# Altium PCB LimeSDR_Mini_1v0_Rounded.PcbDoc (part 2 of 5) (continued)
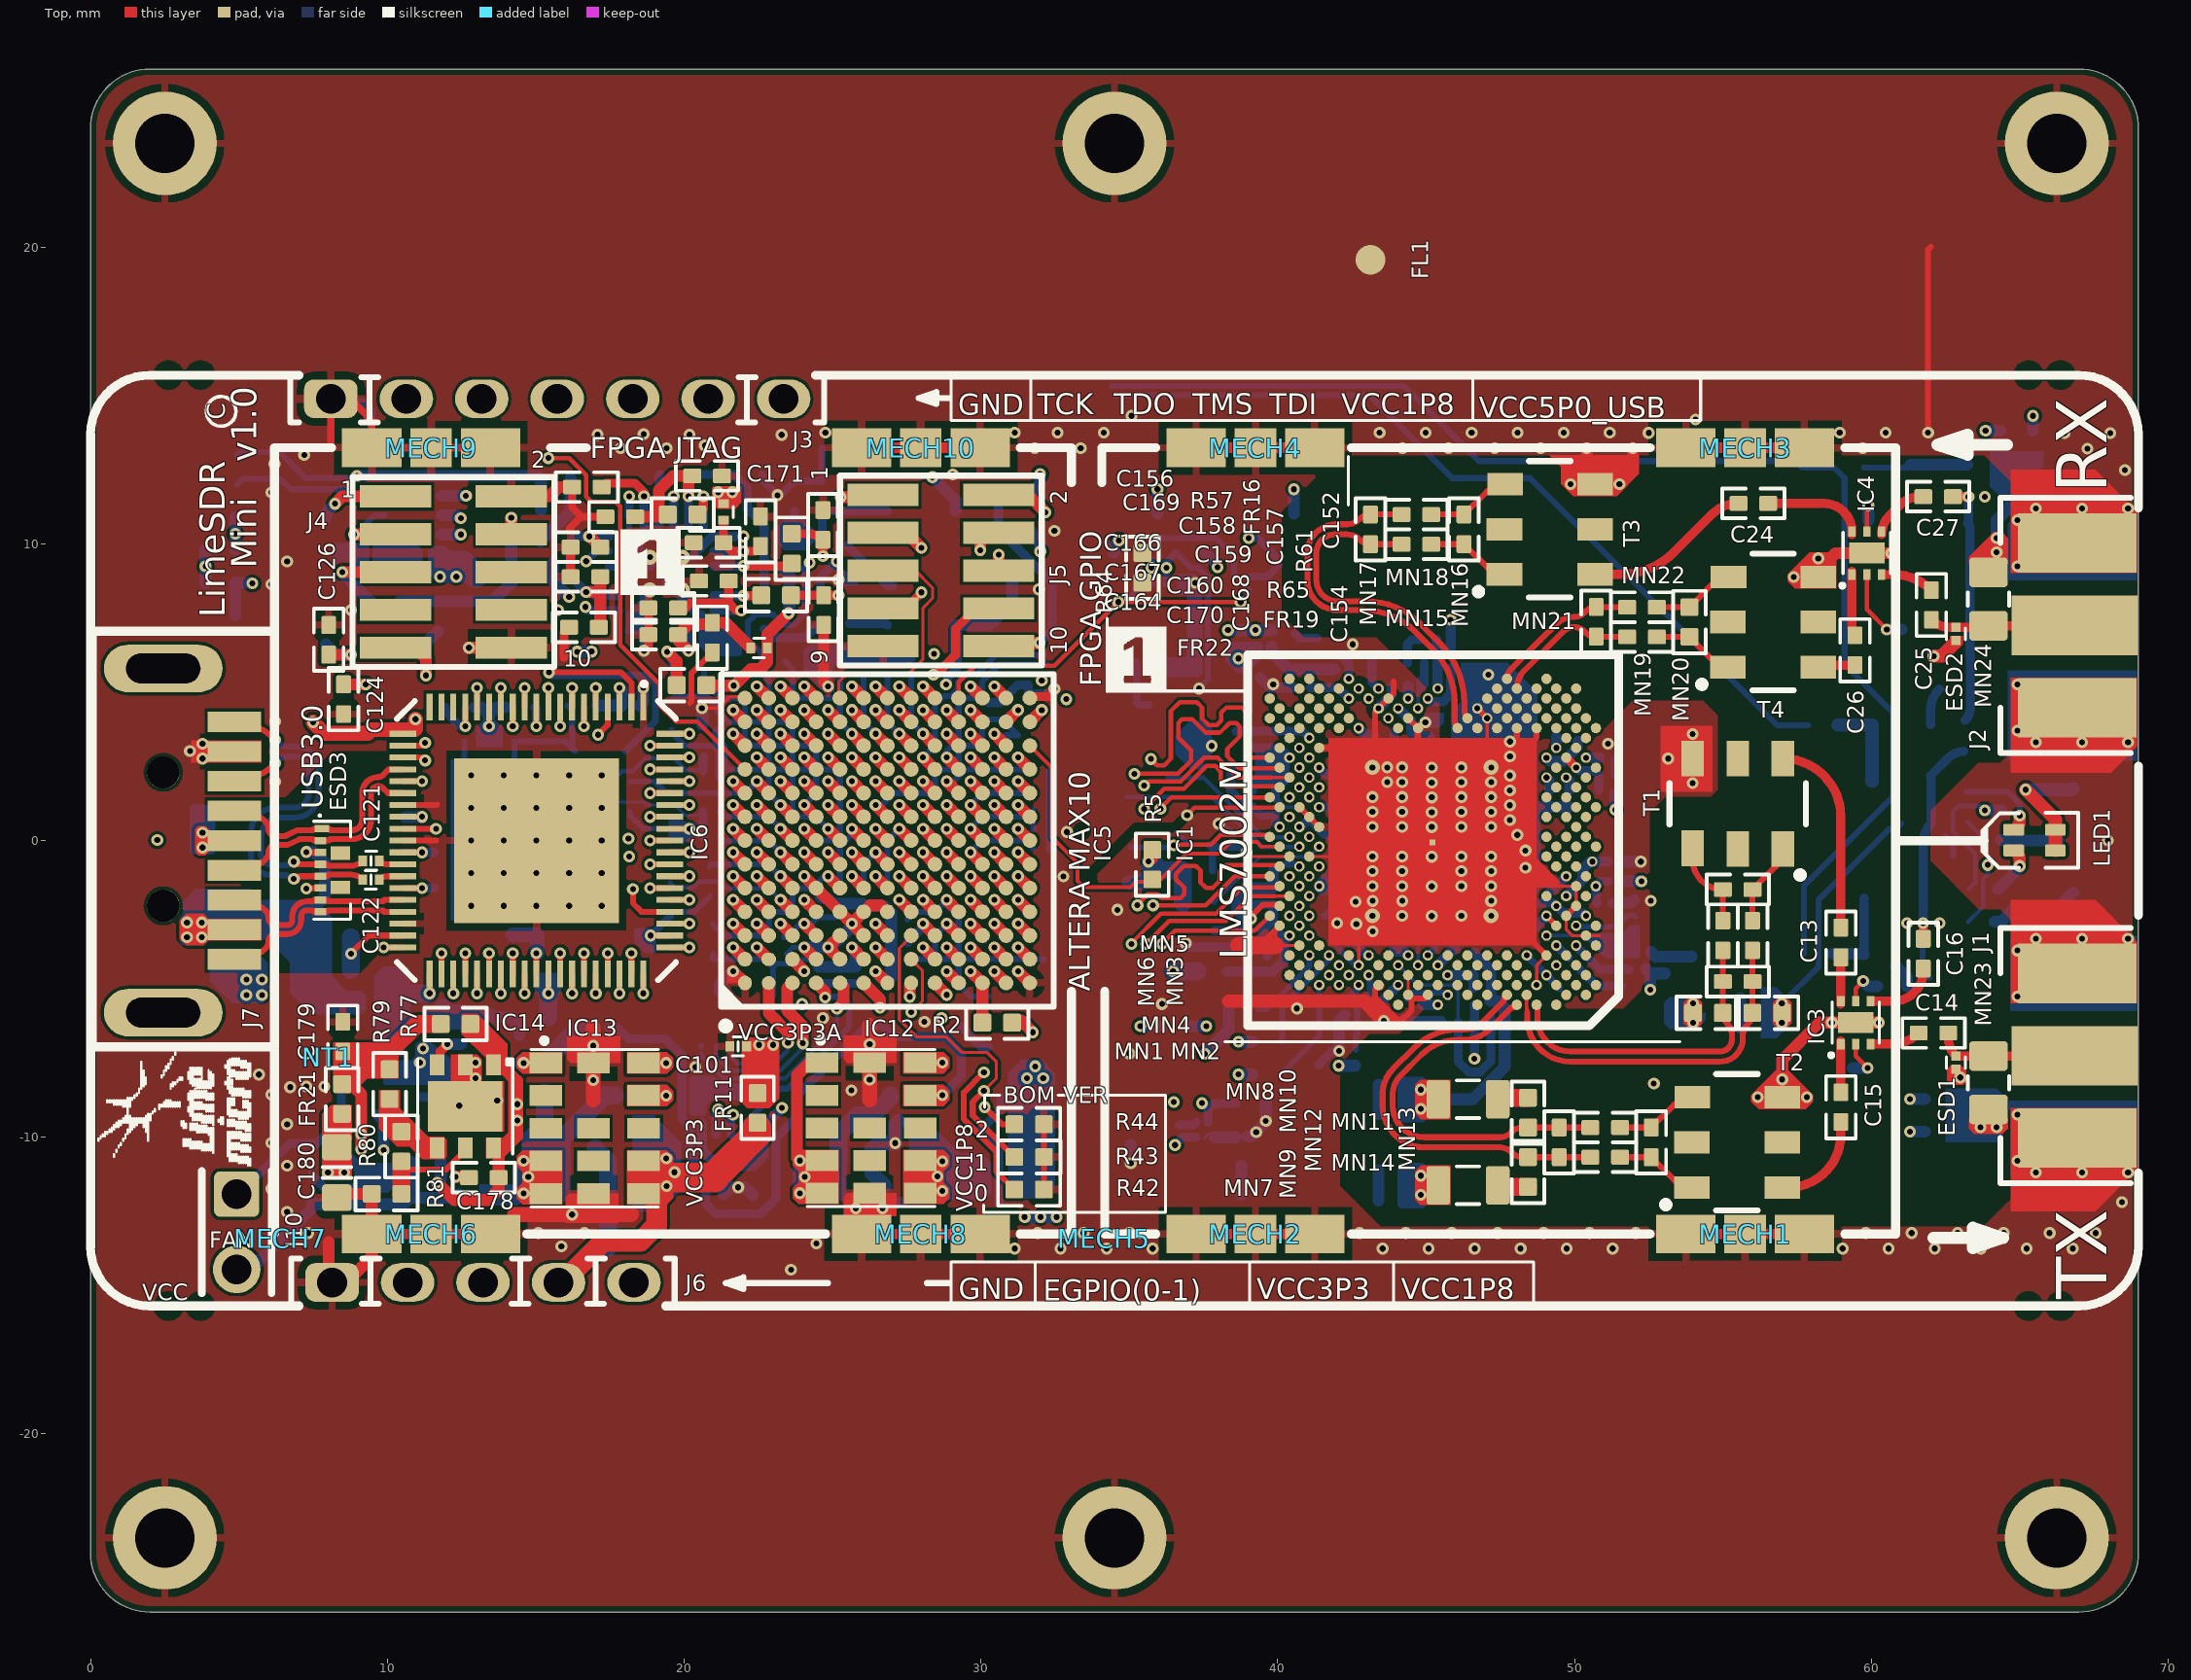
[diagram p0: Top view]
## Nets (pads, with @x,y where several pads share a name; then routed paths per layer and width w, separated by ;. In a path a pad name is that pad's centre, name@x,y a point inside that pad or via, vN(x,y) a via of type N, cw(c..) or ccw(c..) an arc to the next point about the centre after c; other vN are vias at no path point) (continued)
  Bottom w0.4: v1(63.825,1.015) R73.2@64.375,1.015
FPGA_LED_R: IC5.B9 R45.2 R72.2 R75.2 | length 77.9
  Top w0.4: v2(22.45,2) IC5.B9@22.85,1.6
  L4 w0.1: v1(32.875,4.765) 34.308,4.765 38.308,8.765 55.792,8.765 63.175,1.382 63.175,-0.073 v1(63.925,-0.823)
  L5 w0.1: v1(15.75,7.765) 16.175,7.34 16.975,7.34 17.55,6.765 17.55,6.465 18.25,5.765 18.725,5.765 19.3,5.19 19.3,3.74 19.8,3.24 20.675,3.24 21.125,2.79 21.66,2.79 v2(22.45,2)
  L6 w0.1: v1(15.75,7.765) 15.45,8.065 15.45,8.575 15.725,8.85 22.481,8.85 22.874,8.457 23.808,8.457 24.35,7.915 24.35,7.473 25.033,6.79 26.008,6.79 26.458,6.34 27.525,6.34 28.025,6.84 31.25,6.84 32.875,5.215 v1(32.875,4.765)
  Bottom w0.15: R72.2@63.225,0.64 63.775,0.09 63.775,-0.36 63.925,-0.51 v1(63.925,-0.823) 63.925,-1.135 63.775,-1.285 63.775,-2.224 R75.2@63.264,-2.735
  Bottom w0.19: R45.2@18.175,1.965 18.205,1.995 19.014,1.995 19.409,1.6 22.05,1.6
  Bottom w0.2: 22.05,1.6 v2(22.45,2)
FPGA_QSPI_FLASH_SS: IC5.E1 IC11.1 | length 7.3
  Top w0.1: IC5.E1@25.25,-4.8 IC5.E1@25.375,-4.925
  Top w0.4: v1(25.15,-5.666) 25.375,-5.441 IC5.E1@25.375,-4.925
  Bottom w0.15: IC11.1@20.575,-7.193 20.575,-7.268 21.317,-8.01 23.408,-8.01 25.15,-6.268 v1(25.15,-5.666)
  Bottom w0.2: IC11.1@20.575,-6.935 IC11.1@20.575,-6.91
FPGA_QSPI_IO0: IC5.D1 IC11.5 | length 7.5
  Top w0.4: IC5.D1@24.45,-4.8 24.75,-5.1 v1(24.75,-5.285)
  Bottom w0.2: IC11.5@22.075,-9.91 22.075,-9.51 23.225,-8.36 23.482,-8.36 25.55,-6.292 25.55,-5.5 25.316,-5.266 24.769,-5.266 v1(24.75,-5.285)
FPGA_QSPI_IO1: IC5.C1 IC11.2 | length 6.2
  Top w0.4: IC5.C1@23.65,-4.8 23.475,-4.975 23.475,-5.735 24,-6.26 v1@24,-6.785
  Bottom w0.15: IC11.2@21.075,-6.91 21.075,-7.285 21.55,-7.76 23.233,-7.76 24,-6.993 v1(24,-6.835)
FPGA_QSPI_IO2: IC5.B1 IC11.3 | length 5.1
  Top w0.4: IC5.B1@22.85,-4.8 22.85,-5.817 23.5,-6.467 v1(23.5,-6.81)
  Bottom w0.15: IC11.3@21.575,-6.91 21.575,-7.285 21.8,-7.51 23.059,-7.51 23.5,-7.069 v1(23.5,-6.81)
FPGA_QSPI_IO3: IC5.H1 IC11.7 | length 10.6
  Top w0.4: v2@27.6,-5.235 27.6,-4.85 IC5.H1@27.65,-4.8
  L4 w0.1: v1(21.15,-9.06) 21.15,-9.31 21.55,-9.71 23.558,-9.71 24.4,-8.868 24.4,-8.209 26.099,-6.51 26.3,-6.51 26.95,-5.86 26.95,-5.535 27.219,-5.266 v2(27.6,-5.266)
  Bottom w0.3: IC11.7@21.075,-9.91 21.075,-9.135 v1(21.15,-9.06)
FPGA_QSPI_SCLK: IC5.F1 IC11.6 | length 8.9
  Top w0.4: IC5.F1@26.05,-4.8 26.6,-5.35 v1(26.6,-5.635)
  L4 w0.1: v1(21.65,-9.235) 21.925,-9.51 23.475,-9.51 24.2,-8.785 24.2,-8.126 26.6,-5.726 v1(26.6,-5.635)
  Bottom w0.3: IC11.6@21.575,-9.91 21.575,-9.31 v1(21.65,-9.235)
FPGA_SPI_DAC_SS: IC5.K8 IC9.1 | length 26.8
  Top w0.4: v2(28.85,1.2) IC5.K8@29.25,0.8
  L4 w0.1: v1(12.65,11.615) 17.35,11.615 18.515,10.45 19.807,10.45 21.557,8.7 23.51,8.7 25.395,6.815 27.475,6.815 28,6.29 v1(28.425,6.29)
  L5 w0.1: v1(28.425,6.29) 29.15,6.29 30,5.44 30,5.055 30,4.99 29.775,4.765 29.425,4.765 29.25,4.59 29.25,4.19 29.05,3.99 28.65,3.99 28.45,3.79 28.45,1.84 28.85,1.44 v2(28.85,1.2)
  Bottom w0.4: IC9.1@11.825,11.615 v1(12.65,11.615)
FPGA_SPI_LMS_SS: IC5.J5 R9.2 | length 12.3
  Top w0.4: v2(28.05,-1.2) IC5.J5@28.45,-1.6
  L4 w0.1: v2(28.05,-1.2) 28.5,-1.65 28.995,-1.65 29.225,-1.88 29.225,-4.585 29.95,-5.31 34.428,-5.31 v1(35.375,-6.257)
  Bottom w0.4: v1(35.375,-6.257) R9.2@36.1,-6.257
FPGA_SPI_MISO: IC5.J6 R8.2 | length 18.3
  Top w0.4: v2(28.05,-0.4) IC5.J6@28.45,-0.8
  L4 w0.1: v2(28.05,-0.4) 27.6,-0.85 27.105,-0.85 26.9,-1.055 26.9,-1.36 27.09,-1.55 28.095,-1.55 28.4,-1.855 28.4,-4.445 28.715,-4.76 29.1,-4.76 29.85,-5.51 34.125,-5.51 35.397,-6.782 v1(38.675,-6.782)
  Bottom w0.4: v1(38.675,-6.782) R8.2@39.15,-6.782
FPGA_SPI_MOSI: IC5.J7 IC9.3 R7.2 | length 73.8
  Top w0.4: v2(28.05,0.4) IC5.J7@28.45,0
  L4 w0.1: v2(28.05,0.4) 27.785,0.4 27.335,-0.05 27.105,-0.05 26.825,-0.33 26.825,-0.52 26.495,-0.85 26.305,-0.85 26.1,-1.055 26.1,-1.385 27.7,-2.985 27.7,-4.545 28.35,-5.195 28.35,-5.41 28.498,-5.558 28.825,-5.558 28.977,-5.71 33.53,-5.71 v1(34.999,-7.179) 35.005,-7.185 v1(37.55,-7.185)
  L5 w0.1: v1(12.475,10.315) 11.284,10.315 10.125,9.156 10.125,6.61 8.925,5.41 8.925,5.048 9.475,4.498 9.475,-2.619 9.471,-2.619 8.425,-3.665 8.425,-3.985 9.475,-5.035 9.475,-5.729 10.1,-6.354 10.1,-7.871 10.664,-8.435 13.2,-8.435 13.4,-8.235 14.75,-8.235 14.95,-8.435 17.925,-8.435 18.35,-8.01 21.21,-8.01 22.91,-9.71 26.05,-9.71 27.45,-11.11 27.45,-11.81 28.15,-12.51 29.715,-12.51 30.9,-11.325 32.825,-11.325 34.999,-9.151 v1(34.999,-7.179)
  Bottom w0.4: IC9.3@11.825,10.315 v1(12.475,10.315) ; v1(37.55,-7.185) 38.35,-6.385 R7.2@38.35,-5.682
FPGA_SPI_SCLK: IC5.K5 IC9.2 R6.2 | length 54.2
  Top w0.4: v2(28.85,-1.2) IC5.K5@29.25,-1.6
  L4 w0.1: v1(12.475,10.865) 13.362,9.977 13.362,9.503 15.725,7.14 17.408,7.14 18.1,6.448 18.1,6.115 18.45,5.765 20.3,5.765 21.15,6.615 27.355,6.615 28.03,5.94 29.405,5.94 30,5.345 30,5.055 29.795,4.85 29.605,4.85 29.2,4.445 29.2,3.455 28.995,3.25 28.805,3.25 28.5,2.945 28.5,2.755 28.095,2.35 27.905,2.35 27.6,2.045 27.6,1.055 27.395,0.85 27.205,0.85 26.8,0.445 26.8,0.255 26.595,0.05 26.385,0.05 26.1,-0.235 26.1,-0.445 25.695,-0.85 25.505,-0.85 25.3,-1.055 25.3,-1.345 25.515,-1.56 25.992,-1.56 27.5,-3.068 27.5,-4.628 28.15,-5.278 28.15,-5.56 28.575,-5.985 v1(28.675,-5.985) ; v1@28.782,-5.91 33.06,-5.91 35.032,-7.882 v1(38.675,-7.882)
  L5 w0.1: v1(28.675,-5.985) 28.45,-5.76 28.45,-1.6 v2(28.85,-1.2)
  Bottom w0.4: IC9.2@11.825,10.965 12.375,10.965 v1(12.475,10.865) ; v1(38.675,-7.882) R6.2@39.15,-7.882
FT_BE0: IC5.B11 IC6.4 | length 15.7
  Top w0.2: v1(17.1,3.565) 17.425,3.89 IC6.4@17.425,4.5
  Top w0.4: v2(22.45,3.6) IC5.B11@22.85,3.2
  L6 w0.1: v1(17.1,3.565) 17.1,3.015 16.55,2.465 16.55,0.765 16.7,0.615 17.925,0.615 18.1,0.79 18.1,3.511 18.539,3.95 19.307,3.95 20.372,5.015 20.95,5.015 21.215,4.75 22.595,4.75 22.8,4.545 22.8,3.95 v2(22.45,3.6)
FT_BE1: IC5.C12 IC6.5 | length 14.1
  Top w0.2: IC6.5@17.025,4.5 v1(17.025,5.15)
  Top w0.4: v2(23.25,4.4) IC5.C12@23.65,4
  L6 w0.1: v1(17.025,5.15) 16.9,5.15 16.45,4.7 16.45,4.49 16.525,4.415 17.028,4.415 17.628,3.815 17.839,3.815 18,3.976 18,4.79 18.175,4.965 18.315,4.965 18.525,4.755 18.525,4.44 18.615,4.35 18.86,4.35 18.975,4.465 18.975,5.265 19.125,5.415 19.275,5.415 19.425,5.265 19.425,5.065 19.55,4.94 19.732,4.94 19.875,5.083 19.875,5.277 20.013,5.415 20.9,5.415 21,5.515 21,5.832 21.083,5.915 22.95,5.915 23.05,5.815 23.05,5.495 22.875,5.32 22.875,4.775 v2(23.25,4.4)
FT_BE2: IC5.A12 IC6.6 | length 14.6
  Top w0.2: v1(16.625,3.85) IC6.6@16.625,4.5
  Top w0.4: v2(21.65,4.4) IC5.A12@22.05,4
  L6 w0.1: v1(16.625,3.85) 16.36,3.85 16.15,3.64 16.15,2.815 15.675,2.34 15.675,0.665 15.925,0.415 18.05,0.415 18.3,0.665 18.3,3.428 18.622,3.75 19.39,3.75 20.455,4.815 20.85,4.815 21.265,4.4 v2(21.65,4.4)
FT_BE3: IC5.B13 IC6.7 | length 15.6
  Top w0.2: IC6.7@16.225,4.5 v1(16.225,5.15)
  Top w0.4: v2(22.45,5.2) IC5.B13@22.85,4.8
  L6 w0.1: v1(16.225,5.15) 16.21,5.15 16.21,5.017 15.983,4.79 15.983,4.407 16.175,4.215 16.945,4.215 17.45,3.71 17.45,3.04 16.8,2.39 16.8,1.815 17.115,1.5 17.76,1.5 17.9,1.64 17.9,3.593 18.457,4.15 19.224,4.15 20.289,5.215 21.1,5.215 21.225,5.34 21.225,5.565 21.375,5.715 22.55,5.715 22.675,5.59 22.675,5.425 v2(22.45,5.2)
FT_CLK: IC5.G9 IC6.58 | length 14.2
  Top w0.2: IC6.58@19.525,-3.6 v1(20.175,-3.6)
  Top w0.4: v2(26.45,2) IC5.G9@26.85,1.6
  L5 w0.1: v1(20.175,-3.6) 19.8,-3.975 19.8,-4.585 19.975,-4.76 23.425,-4.76 23.7,-4.485 23.7,-4.185 23.925,-3.96 24.225,-3.96 24.45,-3.735 24.45,-3.11 26.075,-1.485 26.075,1.625 v2(26.45,2)
FT_D0: IC5.A2 IC6.40 | length 15.3
  Top w0.2: IC6.40@11.825,-4.5 v1@11.825,-3.85
  Top w0.4: v2(21.65,-3.6) IC5.A2@22.05,-4
  L4 w0.1: v1(11.825,-3.8) 11.575,-4.05 11.575,-4.51 11.85,-4.785 18.755,-4.785 19.28,-5.31 22.092,-5.31 22.525,-4.877 22.525,-4.26 21.865,-3.6 v2(21.65,-3.6)
FT_D1: IC5.B6 IC6.41 | length 19.6
  Top w0.2: v1(12.225,-5.15) IC6.41@12.225,-4.5
  Top w0.4: v2(22.45,-0.4) IC5.B6@22.85,-0.8
  L4 w0.1: v1(12.225,-5.15) 12.985,-5.91 23.035,-5.91 24.4,-4.545 24.4,-1.855 24.095,-1.55 23.905,-1.55 23.7,-1.345 23.7,-1.155 23.355,-0.81 22.86,-0.81 v2(22.45,-0.4)
FT_D2: IC5.B3 IC6.42 | length 16
  Top w0.2: IC6.42@12.625,-4.5 v1@12.625,-3.85
  Top w0.4: v2(22.45,-2.8) IC5.B3@22.85,-3.2
  L4 w0.1: v1(12.625,-3.8) 12.485,-3.8 12.25,-4.035 12.25,-4.335 12.5,-4.585 18.838,-4.585 19.363,-5.11 22.009,-5.11 22.325,-4.794 22.325,-4.343 21.932,-3.95 21.505,-3.95 21.3,-3.745 21.3,-3.455 21.505,-3.25 22,-3.25 v2(22.45,-2.8)
FT_D3: IC5.B5 IC6.43 | length 17
  Top w0.2: v1(13.025,-5.15) IC6.43@13.025,-4.5
  Top w0.4: v2(22.45,-1.2) IC5.B5@22.85,-1.6
  L4 w0.1: v1(13.025,-5.15) 13.585,-5.71 22.925,-5.71 23.675,-4.96 23.675,-1.885 23.375,-1.585 22.835,-1.585 v2(22.45,-1.2)
FT_D4: IC5.A3 IC6.44 | length 14.9
  Top w0.2: IC6.44@13.425,-4.5 v1@13.425,-3.85
  Top w0.4: v2(21.65,-2.8) IC5.A3@22.05,-3.2
  L4 w0.1: v1(13.425,-3.8) 13.425,-4.235 13.575,-4.385 14.135,-4.385 14.36,-4.16 15.05,-4.16 15.275,-4.385 15.925,-4.385 16.16,-4.15 16.89,-4.15 17.125,-4.385 17.75,-4.385 17.985,-4.15 18.686,-4.15 19.446,-4.91 21.225,-4.91 21.375,-4.76 21.375,-4.62 21.215,-4.46 20.675,-4.46 20.525,-4.31 20.525,-4.06 20.675,-3.91 20.925,-3.91 21.075,-3.76 21.075,-3.56 20.925,-3.41 20.7,-3.41 20.525,-3.235 20.525,-2.985 20.71,-2.8 v2(21.65,-2.8)
FT_D5: IC5.B4 IC6.45 | length 15.9
  Top w0.2: v1(13.825,-5.15) IC6.45@13.825,-4.5
  Top w0.4: v2(22.45,-2) IC5.B4@22.85,-2.4
  L4 w0.1: v1(13.825,-5.15) 14.185,-5.51 22.675,-5.51 22.85,-5.335 22.85,-4.835 22.975,-4.71 23.375,-4.71 23.475,-4.61 23.475,-4.285 23.375,-4.185 23.025,-4.185 22.825,-3.985 22.825,-3.81 23.025,-3.61 23.4,-3.61 23.475,-3.535 23.475,-3.285 23.34,-3.15 22.99,-3.15 22.825,-2.985 22.825,-2.375 v2(22.45,-2)
FT_D6: IC5.E6 IC6.46 | length 15.1
  Top w0.2: IC6.46@14.225,-4.5 v1@14.225,-3.85
  Top w0.4: v2(24.85,-0.4) IC5.E6@25.25,-0.8
  L4 w0.1: v1(14.225,-3.8) 14.59,-3.435 18.4,-3.435 18.575,-3.61 19.325,-3.61 19.825,-3.11 19.825,-2.655 20.03,-2.45 21.86,-2.45 22.1,-2.21 22.1,-0.255 22.305,-0.05 24.5,-0.05 v2(24.85,-0.4)
FT_D7: IC5.A4 IC6.47 | length 15.9
  Top w0.2: v1(14.625,-5.15) IC6.47@14.625,-4.5
  Top w0.4: v2(21.65,-2) IC5.A4@22.05,-2.4
  L6 w0.1: v1(14.625,-5.15) 14.625,-5.46 14.375,-5.71 13.7,-5.71 13.4,-5.41 13.4,-4.41 13.65,-4.16 15.15,-4.16 15.875,-4.885 15.875,-5.485 16.125,-5.735 19.6,-5.735 21.175,-4.16 21.175,-2.475 v2(21.65,-2)
FT_D8: IC5.B12 IC6.50 | length 14.4
  Top w0.2: IC6.50@15.825,-4.5 v1@15.825,-3.85
  Top w0.4: v2(22.45,4.4) IC5.B12@22.85,4
  L6 w0.1: v1(15.825,-3.8) 15.825,-3.135 16.525,-2.435 16.525,-1.831 16.856,-1.5 17.76,-1.5 18.5,-0.76 18.5,3.345 18.705,3.55 19.63,3.55 20.03,3.95 22,3.95 v2(22.45,4.4)
FT_D9: IC5.H8 IC6.51 | length 18.2
  Top w0.2: v1(16.225,-5.15) IC6.51@16.225,-4.5
  Top w0.4: v2(27.25,1.2) IC5.H8@27.65,0.8
  L6 w0.1: v1(16.225,-5.15) 16.665,-4.71 19.776,-4.71 20.575,-3.911 20.575,-1.919 20.9,-1.594 20.9,-0.655 21.555,0 23.345,0 23.65,-0.305 23.65,-0.575 23.825,-0.75 24.195,-0.75 24.5,-0.445 24.5,-0.255 24.755,0 25.01,0 25.275,0.265 25.275,0.52 25.545,0.79 25.825,0.79 26.025,0.99 26.025,1.415 26.2,1.59 26.86,1.59 v2(27.25,1.2)
FT_D10: IC5.E9 IC6.52 | length 16.2
  Top w0.2: IC6.52@16.625,-4.5 v1@16.625,-3.85
  Top w0.4: v2(24.85,2) IC5.E9@25.25,1.6
  L6 w0.1: v1(16.625,-3.8) 17.21,-4.385 19.333,-4.385 19.775,-3.943 19.775,-1.905 20.13,-1.55 20.32,-1.55 20.6,-1.27 20.6,-0.155 21.505,0.75 23.49,0.75 23.65,0.59 23.65,0.19 23.84,0 24.26,0 24.425,0.165 24.425,0.525 24.69,0.79 25.05,0.79 25.275,1.015 25.275,1.365 24.85,1.79
FT_D11: IC5.B2 IC6.53 | length 17.5
  Top w0.2: v1(17.025,-5.15) IC6.53@17.025,-4.5
  Top w0.4: v2(22.45,-3.6) IC5.B2@22.85,-4
  L5 w0.1: v1(17.025,-5.15) 17.025,-5.61 16.825,-5.81 13.575,-5.81 13.425,-5.66 13.425,-4.96 13.585,-4.8 15.01,-4.8 15.4,-4.41 15.4,-3.06 15.625,-2.835 19.375,-2.835 19.75,-3.21 20.75,-3.21 21.575,-4.035 22.015,-4.035 v2(22.45,-3.6)
FT_D12: IC5.D9 IC6.54 | length 16.9
  Top w0.2: IC6.54@17.425,-4.5 v1@17.425,-3.85
  Top w0.4: v2(24.05,2) IC5.D9@24.45,1.6
  L6 w0.1: v1(17.425,-3.8) 17.425,-4.01 17.6,-4.185 19.25,-4.185 19.5,-3.935 19.5,-3.685 19.365,-3.55 18.69,-3.55 18.45,-3.31 18.45,-3.06 18.76,-2.75 19.36,-2.75 19.575,-2.535 19.575,-1.818 19.803,-1.59 19.803,0.523 20.03,0.75 21.11,0.75 21.3,0.94 21.3,1.365 21.5,1.565 23.4,1.565 23.65,1.315 23.65,0.94 23.8,0.79 24.225,0.79 24.4,0.965 24.4,1.65 v2(24.05,2)
FT_D13: IC5.J9 IC6.55 | length 18.2
  Top w0.2: v1(17.825,-5.15) IC6.55@17.825,-4.5
  Top w0.4: v2(28.05,2) IC5.J9@28.45,1.6
  L6 w0.1: v1(17.825,-5.15) 18.21,-5.535 19.517,-5.535 20.975,-4.077 20.975,-2.085 21.475,-1.585 23.4,-1.585 23.675,-1.86 23.675,-2.185 23.85,-2.36 24.185,-2.36 25.3,-1.245 25.3,-1.055 25.595,-0.76 25.875,-0.76 26.05,-0.585 26.05,-0.285 26.335,0 27.345,0 27.7,0.355 27.7,0.545 27.97,0.815 28.25,0.815 28.425,0.99 28.425,1.625 v2(28.05,2)
FT_D14: IC5.A9 IC6.56 | length 15
  Top w0.2: IC6.56@18.225,-4.5 v1@18.225,-3.85
  Top w0.4: v2(21.65,2) IC5.A9@22.05,1.6
  L6 w0.1: v1(18.225,-3.8) 17.86,-3.435 16.35,-3.435 16.2,-3.285 16.2,-3.06 16.4,-2.86 16.75,-2.86 16.925,-2.685 16.925,-2.485 16.725,-2.285 16.725,-1.914 16.939,-1.7 17.49,-1.7 17.725,-1.935 17.725,-2.485 17.9,-2.66 18.25,-2.66 18.45,-2.46 18.45,-2.135 18.635,-1.95 19.16,-1.95 19.603,-1.507 19.603,-0.467 19.6,-0.464 19.6,1.465 19.75,1.615 20.3,1.615 20.685,2 v2(21.65,2)
FT_D15: IC5.H9 IC6.57 | length 16.6
  Top w0.2: v1(18.625,-5.15) IC6.57@18.625,-4.5
  Top w0.4: v2(27.25,2) IC5.H9@27.65,1.6
  L6 w0.1: v1(18.625,-5.15) 19.619,-5.15 20.775,-3.994 20.775,-2.002 21.175,-1.602 21.175,-1.18 21.505,-0.85 23.395,-0.85 23.625,-1.08 23.625,-1.45 23.825,-1.65 24.095,-1.65 24.5,-1.245 24.5,-1.055 24.705,-0.85 24.895,-0.85 25.3,-0.445 25.3,-0.255 25.555,0 25.91,0 26.075,0.165 26.075,0.54 26.325,0.79 27.335,0.79 27.625,1.08 27.625,1.625 v2(27.25,2)
FT_D16: IC5.A7 IC6.60 | length 14.4
  Top w0.2: IC6.60@19.525,-2.8 v1(20.175,-2.8)
  Top w0.4: v2(21.65,0.4) IC5.A7@22.05,0
  L5 w0.1: v1(20.175,-2.8) 20.175,-2.61 20.55,-2.235 20.975,-2.235 21.3,-2.56 21.3,-2.945 21.505,-3.15 22.525,-3.15 22.8,-3.425 22.8,-4.16 23,-4.36 23.25,-4.36 23.425,-4.185 23.425,-3.185 23.7,-2.91 23.7,-2.618 23.868,-2.45 24.185,-2.45 24.4,-2.235 24.4,-0.235 24.165,0 23.955,0 23.7,0.255 23.7,0.445 23.355,0.79 22.04,0.79 v2(21.65,0.4)
FT_D17: IC5.F8 IC6.61 | length 15.7
  Top w0.2: v1(18.275,-1.635) 18.275,-2.11 18.565,-2.4 18.875,-2.4 IC6.61@19.525,-2.4
  Top w0.4: v2(25.65,1.2) IC5.F8@26.05,0.8
  L4 w0.1: v1(18.275,-1.635) 17.825,-1.635 17.625,-1.835 17.625,-2.36 17.85,-2.585 19.075,-2.585 19.525,-2.135 19.525,-0.96 19.675,-0.81 20.363,-0.81 20.55,-0.997 20.55,-1.21 20.675,-1.335 20.875,-1.335 21.075,-1.135 21.075,0.39 21.45,0.765 25.5,0.765 25.65,0.915 v2(25.65,1.2)
FT_D18: IC5.A6 IC6.62 | length 14.4
  Top w0.2: IC6.62@19.525,-2 v1(20.175,-2)
  Top w0.4: v2(21.65,-0.4) IC5.A6@22.05,-0.8
  L5 w0.1: v1(20.175,-2) 20.235,-2 20.4,-1.835 20.975,-1.835 21.59,-2.45 23.585,-2.45 23.7,-2.335 23.7,-0.135 23.515,0.05 23.11,0.05 22.875,-0.185 22.875,-1.27 22.595,-1.55 21.505,-1.55 20.525,-0.57 20.525,0.09 20.675,0.24 20.884,0.24 21.524,-0.4 v2(21.65,-0.4)
FT_D19: IC5.E10 IC6.63 | length 14.4
  Top w0.2: v1@18.875,-1.6 IC6.63@19.525,-1.6
  Top w0.4: v2(24.85,2.8) IC5.E10@25.25,2.4
  L6 w0.1: v1(18.85,-1.6) 19.21,-1.6 19.403,-1.407 19.403,-0.55 19.4,-0.547 19.4,1.99 19.8,2.39 20.35,2.39 20.525,2.565 20.525,3.172 20.718,3.365 20.875,3.365 20.975,3.265 20.975,2.365 21.14,2.2 21.355,2.2 21.5,2.345 21.5,2.89 21.625,3.015 21.95,3.015 22.1,2.865 22.1,2.59 22.25,2.44 23.5,2.44 23.675,2.615 23.675,3.015 23.9,3.24 24.41,3.24 v2(24.85,2.8)
FT_D20: IC5.A5 IC6.64 | length 14.4
  Top w0.2: IC6.64@19.525,-1.2 v1(20.175,-1.2)
  Top w0.4: v2(21.65,-1.2) IC5.A5@22.05,-1.6
  L5 w0.1: v1(20.175,-1.2) 19.965,-1.41 19.525,-1.41 19.2,-1.085 19.2,0.24 19.35,0.39 19.65,0.39 19.8,0.54 19.8,1.015 19.665,1.15 18.215,1.15 17.975,1.39 17.975,1.84 18.175,2.04 19.625,2.04 20.025,1.64 20.975,1.64 21.15,1.465 21.15,0.257 21.357,0.05 21.865,0.05 22.1,-0.185 22.1,-0.75 v2(21.65,-1.2)
FT_D21: IC5.F9 IC6.65 | length 14.8
  Top w0.2: v1@18.875,-0.8 IC6.65@19.525,-0.8
  Top w0.4: v2(25.65,2) IC5.F9@26.05,1.6
  L6 w0.1: v1(18.85,-0.8) 19.06,-0.8 19.2,-0.66 19.2,2.515 19.925,3.24 20.31,3.24 20.685,3.615 21.14,3.615 21.54,3.215 23.45,3.215 23.7,3.465 23.7,3.79 23.9,3.99 25.8,3.99 26.025,3.765 26.025,2.275 25.75,2 v2(25.65,2)
FT_D22: IC5.E8 IC6.66 | length 17.2
  Top w0.2: IC6.66@19.525,-0.4 v1(20.175,-0.4)
  Top w0.4: v2(24.85,1.2) IC5.E8@25.25,0.8
  L5 w0.1: v1(20.175,-0.4) 20.175,-0.503 20.525,-0.853 20.525,-1.345 20.22,-1.65 19.44,-1.65 18.94,-1.15 18.705,-1.15 18.5,-0.945 18.5,-0.535 18.5,0.565 17.775,1.29 17.775,2.09 18.45,2.765 19.025,2.765 19.44,2.35 20.69,2.35 21.39,1.65 23.51,1.65 23.7,1.84 23.7,2.175 23.875,2.35 24.195,2.35 24.4,2.145 24.4,1.65 v2(24.85,1.2)
FT_D23: IC5.A8 IC6.67 | length 14.6
  Top w0.2: v1@18.875,0 IC6.67@19.525,0
  Top w0.4: v2(21.65,1.2) IC5.A8@22.05,0.8
  L4 w0.1: v1(18.85,0) 18.5,0.35 18.5,2.865 18.375,2.99 17.825,2.99 17.625,2.79 17.625,-0.985 17.89,-1.25 19.135,-1.25 19.325,-1.06 19.325,-0.26 19.585,0 20.402,0 21.602,1.2 v2(21.65,1.2)
FT_D24: IC5.K11 IC6.69 | length 14.9
  Top w0.2: v1@18.875,0.8 IC6.69@19.525,0.8
  Top w0.4: v2(28.85,3.6) IC5.K11@29.25,3.2
  L4 w0.1: v1(18.85,0.8) 18.85,0.59 19.1,0.34 19.62,0.34 20.08,0.8 20.919,0.8 21.3,1.181 21.3,1.345 21.595,1.64 25.825,1.64 26,1.465 26,0.915 26.165,0.75 26.66,0.75 26.9,0.99 26.9,2.215 27.1,2.415 27.36,2.415 27.6,2.655 27.6,2.845 27.905,3.15 28.4,3.15 v2(28.85,3.6)
FT_D25: IC5.K12 IC6.70 | length 15.1
  Top w0.2: IC6.70@19.525,1.2 v1(20.175,1.2)
  Top w0.4: v2(28.85,4.4) IC5.K12@29.25,4
  L4 w0.1: v1(20.175,1.2) 20.375,1 20.836,1 21.1,1.264 21.1,1.465 20.95,1.615 20.95,1.975 21.5,2.525 21.5,3.015 21.7,3.215 21.975,3.215 22.1,3.09 22.1,2.575 22.31,2.365 22.625,2.365 22.8,2.54 22.8,3.04 22.975,3.215 23.425,3.215 23.625,3.015 23.625,2.59 23.825,2.39 26.65,2.39 26.8,2.54 26.8,2.845 27.105,3.15 27.485,3.15 27.6,3.265 27.6,3.645 27.905,3.95 28.685,3.95 28.85,4.115 v2(28.85,4.4)
FT_D26: IC5.J12 IC6.71 | length 15.8
  Top w0.2: v1@18.875,1.6 IC6.71@19.525,1.6
  Top w0.4: v2(28.05,4.4) IC5.J12@28.45,4
  L4 w0.1: v1(18.85,1.6) 19.2,1.25 19.2,0.79 19.375,0.615 19.575,0.615 19.825,0.865 19.825,1.345 20.08,1.6 20.585,1.6 20.75,1.765 20.75,2.08 21.3,2.63 21.3,3.79 21.5,3.99 21.85,3.99 22.05,3.79 22.05,3.45 22.25,3.25 22.66,3.25 22.875,3.465 22.875,3.815 23.075,4.015 23.475,4.015 23.625,3.865 23.625,3.45 23.825,3.25 26.595,3.25 26.8,3.455 26.8,3.69 27.16,4.05 27.7,4.05 v2(28.05,4.4)
FT_D27: IC5.G12 IC6.72 | length 16.8
  Top w0.2: IC6.72@19.525,2 v1(20.175,2)
  Top w0.4: v2(26.45,4.4) IC5.G12@26.85,4
  L4 w0.1: v1(20.175,2) 20.387,2 21.1,2.713 21.1,4.115 21.275,4.29 21.275,5.326 21.564,5.615 21.875,5.615 22.025,5.465 22.025,4.215 22.25,3.99 22.7,3.99 22.85,4.14 22.85,5.465 23,5.615 23.45,5.615 23.625,5.44 23.625,4.215 23.825,4.015 24.325,4.015 24.45,4.14 24.45,5.465 24.6,5.615 25.075,5.615 25.25,5.44 25.25,5.04 25.44,4.85 25.957,4.85 26.407,4.4 v2(26.45,4.4)
FT_D28: IC5.L13 IC6.73 | length 17.1
  Top w0.2: v1@18.875,2.4 IC6.73@19.525,2.4
  Top w0.4: v2(29.65,5.2) IC5.L13@30.05,4.8
  L4 w0.1: v1(18.85,2.4) 18.85,2.705 19.2,3.055 19.2,3.267 19.411,3.479 19.636,3.479 19.825,3.29 19.825,2.655 20.065,2.415 20.308,2.415 20.85,2.957 20.85,4.148 21.05,4.348 21.05,5.384 21.481,5.815 25.65,5.815 26.1,5.365 26.1,4.99 26.275,4.815 29.265,4.815 v2(29.65,5.2)
FT_D29: IC5.G13 IC6.74 | length 15
  Top w0.2: IC6.74@19.525,2.8 v1(20.175,2.8)
  Top w0.4: v2(26.45,5.2) IC5.G13@26.85,4.8
  L4 w0.1: v1(20.175,2.8) 20.41,2.8 20.65,3.04 20.65,3.62 20.25,4.02 20.25,4.64 20.1,4.79 19.625,4.79 19.475,4.64 19.475,4.15 19.215,3.89 18.95,3.89 18.775,4.065 18.775,4.507 19.433,5.165 20.549,5.165 21.399,6.015 25.85,6.015 26.45,5.415 v2(26.45,5.2)
FT_D30: IC5.J13 IC6.75 | length 15.3
  Top w0.2: v1@18.875,3.2 IC6.75@19.525,3.2
  Top w0.4: v2(28.05,5.2) IC5.J13@28.45,4.8
  L4 w0.1: v1(18.85,3.2) 18.365,3.2 17.825,3.74 17.825,4.09 18.225,4.49 18.225,5.39 18.4,5.565 20.383,5.565 21.233,6.415 27.272,6.415 28.05,5.637 v2(28.05,5.2)
FT_D31: IC5.H13 IC6.76 | length 15.1
  Top w0.2: IC6.76@19.525,3.6 v1(20.175,3.6)
  Top w0.4: v2(27.25,5.2) IC5.H13@27.65,4.8
  L4 w0.1: v1(20.175,3.6) 20.175,3.812 19.972,4.015 19.625,4.015 19.175,3.565 18.775,3.565 18.575,3.765 18.575,4.59 19.35,5.365 20.466,5.365 21.316,6.215 27.189,6.215 27.773,5.632 27.773,5.438 27.535,5.2 v2(27.25,5.2)
FT_OEN: IC5.F12 IC6.13 | length 16
  Top w0.2: IC6.13@13.825,4.5 v1(13.825,5.15)
  Top w0.4: v2(25.65,4.4) IC5.F12@26.05,4
  L6 w0.1: v1(13.825,5.15) 15.665,6.99 23.139,6.99 23.214,6.915 23.431,6.915 24.581,5.765 25.083,5.765 25.28,5.568 25.822,5.568 26,5.39 26,4.75 v2(25.65,4.4)
FT_RDN: IC5.D12 IC6.12 | length 15
  Top w0.2: v1(14.225,3.85) IC6.12@14.225,4.5
  Top w0.4: v2(24.05,4.4) IC5.D12@24.45,4
  L6 w0.1: v1(14.225,3.85) 15.025,4.65 15.025,5.765 15.275,6.015 20.26,6.015 20.76,6.515 23.266,6.515 24.5,5.281 24.5,4.565 24.335,4.4 v2(24.05,4.4)
FT_RESETN: C127.1 IC5.L12 IC6.15 R55.1 | length 35.2
  Top w0.2: IC6.15@13.025,4.5 v1(13.025,5.15)
  Top w0.4: v2(29.65,4.4) IC5.L12@30.05,4
  L4 w0.1: v1(5.45,8.665) 5.45,9.29 7.86,11.7 8.38,11.7 9.225,10.855 9.225,9.39 10.9,7.715 10.9,6.765 12.1,5.565 12.61,5.565 v1(13.025,5.15)
  L6 w0.1: v1(13.025,5.15) 15.265,7.39 23.305,7.39 23.38,7.315 23.597,7.315 24.747,6.165 25.249,6.165 25.446,5.968 25.988,5.968 26.191,5.765 27.225,5.765 27.65,5.34 27.65,5.04 27.85,4.84 29.2,4.84 29.64,4.4 v2(29.65,4.4)
  Bottom w0.4: C127.1@4.875,7.59 C127.1@4.875,7.64 R55.1@4.875,8.69 5.425,8.69 v1(5.45,8.665)
FT_RXFN: IC5.C11 IC6.9 | length 12.5
  Top w0.2: IC6.9@15.425,4.5 v1(15.425,5.15)
  Top w0.4: v2(23.25,3.6) IC5.C11@23.65,3.2
  L6 w0.1: v1(15.425,5.15) 15.447,5.15 16.112,5.815 20.375,5.815 20.875,6.315 23.183,6.315 23.65,5.848 23.65,4.023 23.25,3.623 v2(23.25,3.6)
FT_SIWUN: IC6.10 R53.1 | length 1.3
  Top w0.2: v1(15.025,3.85) IC6.10@15.025,4.5
  Bottom w0.3: R53.1@14.975,4.49 15.025,4.44 v1(15.025,3.85)
FT_TXEN: IC5.C13 IC6.8 | length 14.8
  Top w0.2: v1(15.825,3.85) IC6.8@15.825,4.5
  Top w0.4: v2(23.25,5.2) IC5.C13@23.65,4.8
  L6 w0.1: v1@15.8,3.875 15.8,3.85 15.8,3.09 15.55,2.84 14.95,2.84 14.625,3.165 14.625,3.967 15.38,4.723 15.633,4.723 15.8,4.89 15.8,5.22 16.195,5.615 20.5,5.615 21,6.115 23.1,6.115 23.25,5.965 v2(23.25,5.2)
FT_VBUS: IC6.37 R50.1 R51.2 | length 3.1
  Top w0.2: v1(8.775,-3.81) 9.385,-3.2 IC6.37@10.525,-3.2
  Bottom w0.6: R50.1@8.775,-4.36 R51.2@8.775,-3.26
FT_WAKEUPN: IC5.H10 IC6.16 R54.1 | length 21.6
  Top w0.2: v1(12.625,3.85) IC6.16@12.625,4.5
  Top w0.4: v2(27.25,2.8) IC5.H10@27.65,2.4
  L6 w0.1: v1(12.625,3.85) 13.4,4.625 13.4,5.24 15.35,7.19 23.222,7.19 23.297,7.115 23.514,7.115 24.664,5.965 25.166,5.965 25.363,5.768 25.905,5.768 26.108,5.565 26.58,5.565 26.8,5.345 26.8,3.25 v2(27.25,2.8)
  Bottom w0.3: R54.1@11.95,4.49 11.95,4.361 12.461,3.85 v1(12.625,3.85)
FT_WRN: IC5.E12 IC6.11 | length 14.5
  Top w0.2: IC6.11@14.625,4.5 v1(14.625,5.15)
  Top w0.4: v2(24.85,4.4) IC5.E12@25.25,4
  L6 w0.1: v1(14.625,5.15) 14.625,5.667 15.748,6.79 23.057,6.79 23.132,6.715 23.349,6.715 24.499,5.565 25,5.565 25.2,5.365 25.2,4.75 v2(24.85,4.4)
FT_XTAL_N: C126.1 IC6.22 XT1.1 | length 8.8
  Top w0.2: IC6.22@10.525,2.8 11.175,2.8 v1(11.275,2.7)
  Top w0.4: C126.1@8.025,6.265 v1(8.775,6.265)
  L6 w0.1: v1(8.775,6.265) cw(c8.715,6.205) 8.8,6.205 8.8,5.965 cw(c8.517,5.965) 8.717,5.765 8.534,5.581 ccw(c9.52,4.595) 8.125,4.595 8.125,4.075 ccw(c9.3,4.075) 9.3,2.9 10.9,2.9 cw(c10.9,2.477) 11.199,2.776 v1(11.275,2.7)
  Bottom w0.4: XT1.1@7.925,6.615 8.275,6.265 v1(8.775,6.265)
FT_XTAL_P: C124.1 IC6.21 XT1.3 | length 7.3
  Top w0.2: IC6.21@10.525,3.2 11.175,3.2 v1(11.275,3.3)
  Top w0.4: C124.1@8.525,5.265 v1(9.275,5.265)
  L6 w0.1: v1@9.275,5.344 9.194,5.425 ccw(c8.916,5.147) 8.916,5.54 ccw(c8.916,5.199) 8.675,5.44 ccw(c9.52,4.595) 8.325,4.595 8.325,4.075 ccw(c9.3,4.075) 9.3,3.1 10.9,3.1 ccw(c10.9,3.523) 11.199,3.224 v1(11.275,3.3)